# Altium PCB IC_LAB_test.PcbDoc (part 8 of 8)
Units mil, origin at the board's own origin, x right, y up, seen from the top; angles counter-clockwise.
Board outline 9750.75 x 5353.06 mil, 2 copper layers (Top Layer, Bottom Layer); 164 components, 0 nets, 5989 pads, 3214 vias.
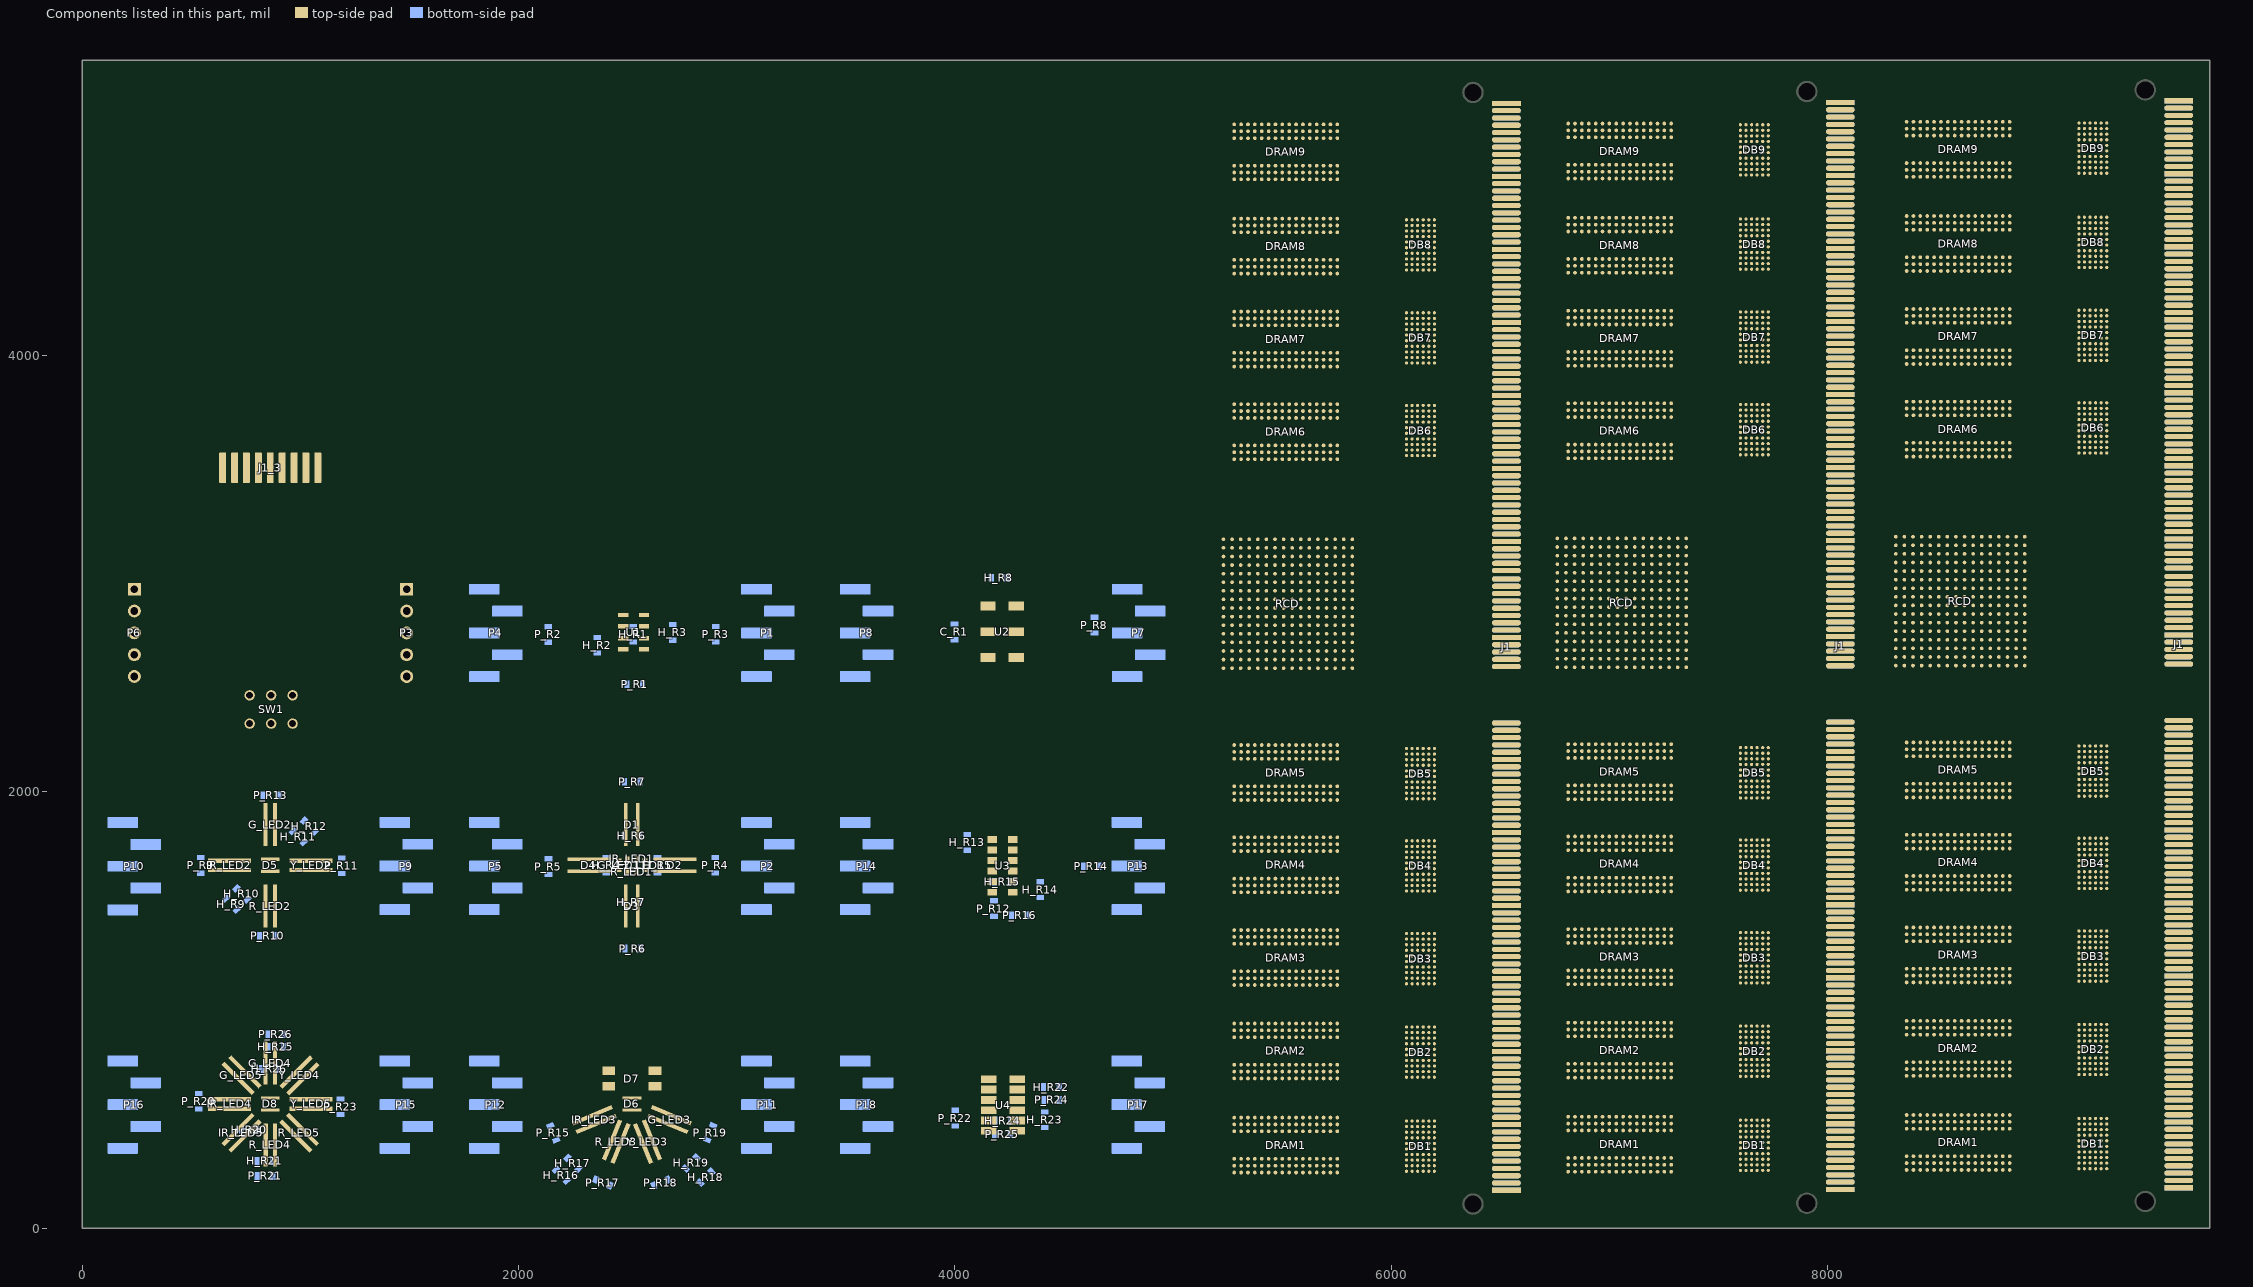
[diagram p8: the components of this part, seen from the top]

## Via types
v1: diameter 17.72, hole 8, Top Layer to Bottom Layer, 2685 vias
v2: diameter 39.37, hole 23.62, Top Layer to Bottom Layer, tented both sides, 414 vias
v3: diameter 23.62, hole 11.81, Top Layer to Bottom Layer, 52 vias
v4: diameter 23.62, hole 11.81, Top Layer to Bottom Layer, tented top, 33 vias
v5: diameter 31.5, hole 15.75, Top Layer to Bottom Layer, 21 vias
v6: diameter 137.8, hole 122.05, Top Layer to Bottom Layer, 3 vias
v7: diameter 78.74, hole 62.99, Top Layer to Bottom Layer, 3 vias
v8: diameter 39.37, hole 19.68, Top Layer to Bottom Layer, 3 vias

## Nets (pads, with @x,y where several pads share a name; then routed paths per layer and width w, separated by ;. In a path a pad name is that pad's centre, name@x,y a point inside that pad or via, vN(x,y) a via of type N, cw(c..) or ccw(c..) an arc to the next point about the centre after c; other vN are vias at no path point) (continued)
copper on no net: (continued)
  other v2: 192.13,191.85 292.13,191.85 392.13,191.85 492.13,191.85 592.13,191.85 692.13,191.85 992.13,191.85 1092.13,191.85 1892.13,191.85 1992.13,191.85 2092.13,191.85 2892.13,191.85 2992.13,191.85 3092.13,191.85 3592.13,191.85 3692.13,191.85 3792.13,191.85 3892.13,191.85 3992.13,191.85 4092.13,191.85 4192.13,191.85 4292.13,191.85 4392.13,191.85 4492.13,191.85 4592.13,191.85 4692.13,191.85 4792.13,191.85 4892.13,191.85 242.13,291.85 342.13,291.85 442.13,291.85 742.13,291.85 1042.13,291.85 1942.13,291.85 2042.13,291.85 2542.13,291.85 3042.13,291.85 3242.13,291.85 3642.13,291.85 3742.13,291.85 3842.13,291.85 3942.13,291.85 4042.13,291.85 4142.13,291.85 4242.13,291.85 4342.13,291.85 4442.13,291.85 4542.13,291.85 4642.13,291.85 4742.13,291.85 4842.13,291.85 4942.13,291.85 292.13,391.85 392.13,391.85 592.13,391.85 1192.13,391.85 1292.13,391.85 1992.13,391.85 3692.13,391.85 3792.13,391.85 3892.13,391.85 3992.13,391.85 4092.13,391.85 4492.13,391.85 4592.13,391.85 4892.13,391.85 542.13,491.85 1342.13,491.85 3042.13,491.85 4742.13,491.85 2192.13,591.85 2292.13,591.85 2392.13,591.85 2692.13,591.85 2792.13,591.85 3192.13,591.85 4892.13,591.85 2742.13,691.85 2842.13,691.85 3942.13,691.85 292.13,791.85 392.13,791.85 492.13,791.85 592.13,791.85 1192.13,791.85 2192.13,791.85 2292.13,791.85 2392.13,791.85 2492.13,791.85 2592.13,791.85 2692.13,791.85 2792.13,791.85 2892.13,791.85 3192.13,791.85 3692.13,791.85 3792.13,791.85 3892.13,791.85 3992.13,791.85 4092.13,791.85 4192.13,791.85 4292.13,791.85 4392.13,791.85 4492.13,791.85 4592.13,791.85 4892.13,791.85 242.13,891.85 342.13,891.85 442.13,891.85 542.13,891.85 642.13,891.85 742.13,891.85 1342.13,891.85 1442.13,891.85 1542.13,891.85 1942.13,891.85 2042.13,891.85 2142.13,891.85 2242.13,891.85 2342.13,891.85 2442.13,891.85 2542.13,891.85 2642.13,891.85 2742.13,891.85 2842.13,891.85 2942.13,891.85 3042.13,891.85 3142.13,891.85 3242.13,891.85 3642.13,891.85 3742.13,891.85 3842.13,891.85 3942.13,891.85 4042.13,891.85 4142.13,891.85 4242.13,891.85 4342.13,891.85 4442.13,891.85 4542.13,891.85 4642.13,891.85 4742.13,891.85 4842.13,891.85 4942.13,891.85 192.13,1291.85 292.13,1291.85 392.13,1291.85 492.13,1291.85 592.13,1291.85 692.13,1291.85 792.13,1291.85 892.13,1291.85 992.13,1291.85 1092.13,1291.85 1192.13,1291.85 1292.13,1291.85 1392.13,1291.85 1492.13,1291.85 1892.13,1291.85 1992.13,1291.85 2092.13,1291.85 2192.13,1291.85 2292.13,1291.85 2792.13,1291.85 2892.13,1291.85 2992.13,1291.85 3092.13,1291.85 3192.13,1291.85 3592.13,1291.85 3692.13,1291.85 3792.13,1291.85 3892.13,1291.85 3992.13,1291.85 4092.13,1291.85 4192.13,1291.85 4292.13,1291.85 4392.13,1291.85 4492.13,1291.85 4592.13,1291.85 4692.13,1291.85 4792.13,1291.85 4892.13,1291.85 242.13,1391.85 342.13,1391.85 542.13,1391.85 642.13,1391.85 742.13,1391.85 942.13,1391.85 1042.13,1391.85 1142.13,1391.85 1242.13,1391.85 1342.13,1391.85 1442.13,1391.85 1542.13,1391.85 1942.13,1391.85 2042.13,1391.85 2142.13,1391.85 2342.13,1391.85 2442.13,1391.85 2942.13,1391.85 3042.13,1391.85 3142.13,1391.85 3242.13,1391.85 3642.13,1391.85 3742.13,1391.85 3842.13,1391.85 3942.13,1391.85 4042.13,1391.85 4542.13,1391.85 4642.13,1391.85 4742.13,1391.85 4842.13,1391.85 4942.13,1391.85 492.13,1491.85 592.13,1491.85 1992.13,1491.85 2092.13,1491.85 2292.13,1491.85 3192.13,1491.85 3692.13,1491.85 3792.13,1491.85 3892.13,1491.85 3992.13,1491.85 4892.13,1491.85 742.13,1591.85 1142.13,1591.85 1342.13,1591.85 2242.13,1591.85 3042.13,1591.85 3842.13,1591.85 4542.13,1591.85 4642.13,1591.85 4742.13,1591.85 3192.13,1691.85 3992.13,1691.85 4892.13,1691.85 442.13,1791.85 542.13,1791.85 642.13,1791.85 2242.13,1791.85 3842.13,1791.85 3942.13,1791.85 4542.13,1791.85 4642.13,1791.85 4742.13,1791.85 792.13,1891.85 1092.13,1891.85 2192.13,1891.85 2792.13,1891.85 2892.13,1891.85 3192.13,1891.85 242.13,1991.85 342.13,1991.85 442.13,1991.85 542.13,1991.85 642.13,1991.85 742.13,1991.85 1242.13,1991.85 1342.13,1991.85 1442.13,1991.85 1542.13,1991.85 1942.13,1991.85 2042.13,1991.85 2142.13,1991.85 2242.13,1991.85 2642.13,1991.85 2742.13,1991.85 2942.13,1991.85 3042.13,1991.85 3142.13,1991.85 3242.13,1991.85 3642.13,1991.85 3742.13,1991.85 3842.13,1991.85 3942.13,1991.85 4042.13,1991.85 4142.13,1991.85 4242.13,1991.85 4342.13,1991.85 4442.13,1991.85 4942.13,1991.85 1892.13,2291.85 1992.13,2291.85 2092.13,2291.85 2192.13,2291.85 2292.13,2291.85 2392.13,2291.85 2492.13,2291.85 2592.13,2291.85 2692.13,2291.85 2792.13,2291.85 2892.13,2291.85 2992.13,2291.85 3092.13,2291.85 3192.13,2291.85 3592.13,2291.85 3692.13,2291.85 3792.13,2291.85 3892.13,2291.85 3992.13,2291.85 4092.13,2291.85 4192.13,2291.85 4292.13,2291.85 4392.13,2291.85 4492.13,2291.85 4592.13,2291.85 4692.13,2291.85 4792.13,2291.85 4892.13,2291.85 1942.13,2391.85 2042.13,2391.85 2142.13,2391.85 2242.13,2391.85 2342.13,2391.85 2442.13,2391.85 2542.13,2391.85 2642.13,2391.85 2742.13,2391.85 2842.13,2391.85 2942.13,2391.85 3242.13,2391.85 3642.13,2391.85 3742.13,2391.85 3842.13,2391.85 3942.13,2391.85 4242.13,2391.85 4342.13,2391.85 4442.13,2391.85 4542.13,2391.85 4642.13,2391.85 4742.13,2391.85 4842.13,2391.85 4942.13,2391.85 1992.13,2491.85 2092.13,2491.85 2192.13,2491.85 2692.13,2491.85 2792.13,2491.85 3692.13,2491.85 3792.13,2491.85 3892.13,2491.85 4392.13,2491.85 4492.13,2491.85 4592.13,2491.85 4692.13,2491.85 4892.13,2491.85 2242.13,2591.85 2442.13,2591.85 2942.13,2591.85 3042.13,2591.85 4542.13,2591.85 4642.13,2591.85 4742.13,2591.85 2192.13,2691.85 3192.13,2691.85 3692.13,2691.85 3892.13,2691.85 4492.13,2691.85 4592.13,2691.85 4892.13,2691.85 2842.13,2791.85 3042.13,2791.85 3842.13,2791.85 3942.13,2791.85 4142.13,2791.85 4242.13,2791.85 4442.13,2791.85 4542.13,2791.85 4742.13,2791.85 3192.13,2891.85 3892.13,2891.85 3992.13,2891.85 4492.13,2891.85 4692.13,2891.85 1942.13,2991.85 2242.13,2991.85 2342.13,2991.85 2442.13,2991.85 2542.13,2991.85 2642.13,2991.85 2742.13,2991.85 2842.13,2991.85 2942.13,2991.85 3042.13,2991.85 3142.13,2991.85 3242.13,2991.85 3642.13,2991.85 3842.13,2991.85 3942.13,2991.85 4042.13,2991.85 4542.13,2991.85 4642.13,2991.85 4742.13,2991.85 1892.13,3091.85 1992.13,3091.85 2092.13,3091.85 2192.13,3091.85 2292.13,3091.85 2392.13,3091.85 2492.13,3091.85 2592.13,3091.85 2692.13,3091.85 2792.13,3091.85 2892.13,3091.85 2992.13,3091.85 3092.13,3091.85 3192.13,3091.85 3592.13,3091.85 3692.13,3091.85 3792.13,3091.85 3892.13,3091.85 3992.13,3091.85 4092.13,3091.85 4192.13,3091.85 4292.13,3091.85 4892.13,3091.85
  other v3: 685.83,1596.65
  other v4: 4356.1,493.11
  other v6: 369.88,3463.31 1353.74,3463.31 1353.74,3463.31
  other v7: 548.82,3463.31 1174.8,3463.31 1174.8,3463.31

## Polygon pours and split planes (outlines as drawn)
no net on Bottom Layer "Bottom Layer-GND" (solid, pour order 16): 1547.05,3589.76 1547.05,2265.55 177.95,2265.55 177.95,3589.76
no net on Bottom Layer "Bottom Layer-GND_C" (solid, pour order 14): 1758.66,1177.36 1758.66,2149.8 3285.24,2149.8 3285.24,1177.36
no net on Bottom Layer "Bottom Layer-GND_H" (solid, pour order 12): 3457.48,83.66 3457.48,1056.1 4984.06,1056.1 4984.06,83.66
no net on Bottom Layer "Bottom Layer-GND_G" (solid, pour order 10): 3457.48,1177.36 3457.48,2149.8 4984.06,2149.8 4984.06,1177.36
no net on Bottom Layer "Bottom Layer-GND_F" (solid, pour order 8): 3457.48,2245.87 3457.48,3218.31 4984.06,3218.31 4984.06,2245.87
no net on Bottom Layer "Bottom Layer-GND_E" (solid, pour order 6): 1758.66,2245.87 1758.66,3218.31 3285.24,3218.31 3285.24,2245.87
no net on Bottom Layer "Bottom Layer-GND_B" (solid, pour order 4): 101.18,83.66 101.18,1056.1 1627.76,1056.1 1627.76,83.66
no net on Bottom Layer "Bottom Layer-GND_A" (solid, pour order 2): 101.18,1177.36 101.18,2149.8 1627.76,2149.8 1627.76,1177.36
no net on Bottom Layer "Bottom Layer-GND_D" (solid, pour order 0): 1758.66,83.66 1758.66,1056.1 3285.24,1056.1 3285.24,83.66
no net on Top Layer "Top Layer-GND" (solid, pour order 34): 1547.05,3589.76 1547.05,2265.55 177.95,2265.55 177.95,3589.76
no net on Top Layer "Top Layer-GND_B" (solid, pour order 32): 1627.76,1056.1 1627.76,83.66 101.18,83.66 101.18,1056.1
no net on Top Layer "Top Layer-GND_C" (solid, pour order 30): 3285.24,2149.8 3285.24,1177.36 1758.66,1177.36 1758.66,2149.8
no net on Top Layer "Top Layer-GND_E" (solid, pour order 28): 3285.24,3218.31 3285.24,2245.87 1758.66,2245.87 1758.66,3218.31
no net on Top Layer "Top Layer-GND_F" (solid, pour order 26): 4984.06,3218.31 4984.06,2245.87 3457.48,2245.87 3457.48,3218.31
no net on Top Layer "Top Layer-GND_G" (solid, pour order 24): 4984.06,2149.8 4984.06,1177.36 3457.48,1177.36 3457.48,2149.8
no net on Top Layer "Top Layer-GND_H" (solid, pour order 22): 4984.06,1056.1 4984.06,83.66 3457.48,83.66 3457.48,1056.1
no net on Top Layer "Top Layer-GND_A" (solid, pour order 20): 1627.76,2149.8 1627.76,1177.36 101.18,1177.36 101.18,2149.8
no net on Top Layer "Top Layer-GND_D" (solid, pour order 18): 3285.24,1056.1 3285.24,83.66 1758.66,83.66 1758.66,1056.1

## Keep-outs
Keep-Out Layer:
  region: 4351.62,3617.26 4155.21,3698.62 4188.5,3779 4384.92,3697.64
  region: 4169.29,3481.9 4087.93,3678.32 4168.31,3711.61 4249.66,3515.2
  region: 3944.56,3516.01 4025.92,3712.43 4106.3,3679.13 4024.94,3482.72
  region: 3809.66,3697.84 4006.06,3779.19 4039.36,3698.81 3842.95,3617.46
  region: 4047.24,3812.01 4147.64,3812.01 4147.64,3721.46 4047.24,3721.46
  region: 3948.82,3969.49 4244.09,3969.49 4244.09,3792.32 3948.82,3792.32
  region: 2569.88,4831.69 2569.88,4737.2 2467.52,4737.2 2467.52,4831.69
  region: 2569.88,3819.88 2569.88,3721.46 2467.52,3721.46 2467.52,3819.88
  region: 2563.98,4063.98 2563.98,3851.38 2473.43,3851.38 2473.43,4063.98
  region: 2473.43,3477.36 2473.43,3689.96 2563.98,3689.96 2563.98,3477.36
  region: 2812.01,3725.39 2599.41,3725.39 2599.41,3815.94 2812.01,3815.94
  region: 2225.39,3815.94 2437.99,3815.94 2437.99,3725.39 2225.39,3725.39
  region: 2342.02,5022.6 2492.35,4872.27 2431.1,4811.02 2280.77,4961.35
  region: 2756.85,4961.13 2606.52,4810.8 2545.28,4872.05 2695.61,5022.38
  region: 2695.38,4546.3 2545.05,4696.63 2606.3,4757.87 2756.63,4607.54
  region: 2280.55,4607.77 2430.88,4758.1 2492.13,4696.85 2341.8,4546.52
  region: 2562.01,5077.76 2562.01,4865.16 2475.39,4865.16 2475.39,5077.76
  region: 2225.39,4827.76 2437.99,4827.76 2437.99,4741.14 2225.39,4741.14
  region: 2475.39,4491.14 2475.39,4703.74 2562.01,4703.74 2562.01,4491.14
  region: 2812.01,4741.14 2599.41,4741.14 2599.41,4827.76 2812.01,4827.76
  region: 4173.23,4737.2 4023.62,4737.2 4023.62,4831.5 4173.23,4831.5
  region: 4051.18,4853.35 4051.18,5089.57 4145.47,5089.57 4145.47,4853.35
  region: 4145.67,4715.55 4145.67,4479.33 4051.38,4479.33 4051.38,4715.55
  region: 4397.64,4737.2 4192.91,4737.2 4192.91,4831.5 4397.64,4831.5
  region: 4003.94,4737.2 3799.21,4737.2 3799.21,4831.5 4003.94,4831.5
  lines w10: 6661.42,66.46 6661.42,97.44 6661.42,5225.91 ; 6661.58,66.3 6696.85,31.02 ; 6661.89,5225.91 6661.89,5256.89 ; 6662.05,5257.05 6697.32,5292.32 ; 6696.85,31.5 7452.76,31.5 7452.76,102.36 7570.87,102.36 7570.87,31.5 7712.6,31.5 7712.6,102.36 7830.71,102.36 7830.71,31.5 8145.67,31.5 ; 6697.32,5291.85 7452.76,5291.85 7452.76,5220.98 7570.87,5220.98 7570.87,5291.85 7712.6,5291.85 7712.6,5220.98 7830.71,5220.98 7830.71,5291.85 8145.67,5291.85 ; 8212.6,74.33 8212.6,105.31 8212.6,5233.78 ; 8212.76,74.17 8248.03,38.9 ; 8213.07,5233.78 8213.07,5264.76 ; 8213.23,5264.92 8248.5,5300.2 ; 8248.03,39.37 9003.94,39.37 9003.94,110.24 9122.05,110.24 9122.05,39.37 9263.78,39.37 9263.78,110.24 9381.89,110.24 9381.89,39.37 9696.85,39.37 ; 8248.5,5299.72 9003.94,5299.72 9003.94,5228.86 9122.05,5228.86 9122.05,5299.72 9263.78,5299.72 9263.78,5228.86 9381.89,5228.86 9381.89,5299.72 9696.85,5299.72 ; 5130.98,93.5 5130.98,62.52 5130.98,93.5 ; 5130.98,93.5 5130.98,5221.97 5130.98,93.5 ; 5922.32,27.56 5922.32,98.43 ; 5922.32,27.56 5166.42,27.56 5922.32,27.56 ; 5922.32,27.56 5922.32,98.43 ; 5922.32,98.43 6040.43,98.43 ; 5922.32,98.43 6040.43,98.43 ; 5922.32,5217.05 6040.43,5217.05 ; 5922.32,5217.05 5922.32,5287.91 ; 5922.32,5217.05 5922.32,5287.91 ; 5922.32,5217.05 6040.43,5217.05 ; 5922.32,5287.91 5166.89,5287.91 5922.32,5287.91 ; 6040.43,27.56 6182.17,27.56 ; 6040.43,27.56 6040.43,98.43 ; 6040.43,27.56 6040.43,98.43 ; 6040.43,27.56 6182.17,27.56 ; 6040.43,5217.05 6040.43,5287.91 ; 6040.43,5217.05 6040.43,5287.91 ; 6040.43,5287.91 6182.17,5287.91 ; 6040.43,5287.91 6182.17,5287.91 ; 6182.17,27.56 6182.17,98.43 ; 6182.17,27.56 6182.17,98.43 ; 6182.17,98.43 6300.28,98.43 ; 6182.17,98.43 6300.28,98.43 ; 6182.17,5217.05 6182.17,5287.91 ; 6182.17,5217.05 6300.28,5217.05 ; 6182.17,5217.05 6300.28,5217.05 ; 6182.17,5217.05 6182.17,5287.91 ; 6300.28,27.56 6300.28,98.43 ; 6300.28,27.56 6615.24,27.56 6300.28,27.56 ; 6300.28,27.56 6300.28,98.43 ; 6300.28,5217.05 6300.28,5287.91 ; 6300.28,5217.05 6300.28,5287.91 ; 6300.28,5287.91 6615.24,5287.91 6300.28,5287.91 ; 5131.14,62.36 5166.42,27.09 5131.14,62.36 ; 5131.46,5221.97 5131.46,5252.95 5131.46,5221.97 ; 5131.61,5253.11 5166.89,5288.39 5131.61,5253.11
  lines w11.81: 101.18,1055.26 1621,1055.26 ; 1578.24,5352.54 6898.12,5352.54 ; 1580.71,5352.36 0.24,5352.36 0.24,-0.5 4679.45,-0.5 ; 1621,2148.96 101.18,2149.8 ; 1758.66,2148.96 3278.48,2148.96 ; 1758.66,3217.46 3278.48,3217.46 ; 3277.7,4257.03 1757.87,4257.87 ; 3277.7,5270.81 1757.87,5271.65 ; 3278.48,1055.26 1758.66,1056.1 ; 4679.24,-0.44 9750.98,-0.44 9750.24,5352.56 6897.24,5352.54 ; 4856.58,4256.04 3336.75,4256.89 ; 4857.42,5270.81 3337.6,5271.65 ; 4977.3,1055.26 3457.48,1056.1 ; 4977.3,2148.96 3457.48,2149.8 ; 8145.67,31.5 8145.67,2417.83 7988.19,2417.83 7988.19,2476.89 8145.67,2476.89 8145.67,5291.85 ; 9696.85,39.37 9696.85,2425.71 9539.37,2425.71 9539.37,2484.76 9696.85,2484.76 9696.85,5299.72 ; 101.18,2149.8 101.18,1177.36 1627.76,1177.36 1627.76,1796.46 1627.76,2149.8 101.18,2149.8 ; 1757.87,4257.87 3284.45,4257.87 3284.45,3904.53 3284.45,3285.43 1757.87,3285.43 1757.87,4257.87 ; 1757.87,5271.65 1757.87,4299.21 3284.45,4299.21 3284.45,4918.31 3284.45,5271.65 1757.87,5271.65 ; 1758.66,1056.1 1758.66,83.66 3285.24,83.66 3285.24,702.76 3285.24,1056.1 1758.66,1056.1 ; 3336.75,4256.89 3336.75,3284.45 4863.33,3284.45 4863.33,3903.54 4863.33,4256.89 3336.75,4256.89 ; 3337.6,5271.65 3337.6,4299.21 4864.17,4299.21 4864.17,4918.31 4864.17,5271.65 3337.6,5271.65 ; 3457.48,1056.1 3457.48,83.66 4984.06,83.66 4984.06,1056.1 3457.48,1056.1 ; 3457.48,2149.8 4984.06,2149.8 4984.06,1177.36 3457.48,1177.36 3457.48,2149.8 ; 6457.76,2413.9 6457.76,2472.95 ; 6457.76,2413.9 6615.24,2413.9 ; 6457.76,2413.9 6615.24,2413.9 ; 6457.76,2413.9 6457.76,2472.95 ; 6457.76,2472.95 6615.24,2472.95 ; 6457.76,2472.95 6615.24,2472.95 ; 6615.24,2413.9 6615.24,27.56 6615.24,2413.9 ; 6615.24,2472.95 6615.24,5287.91 6615.24,2472.95 ; 101.18,83.66 101.18,1056.1 1627.76,1056.1 1627.76,702.76 1627.76,83.66 101.18,83.66 ; 177.95,2265.55 177.95,3589.76 1547.05,3589.76 1547.05,2265.55 177.95,2265.55 ; 1758.66,1177.36 1758.66,2149.8 3285.24,2149.8 3285.24,1796.46 3285.24,1177.36 1758.66,1177.36 ; 1758.66,2245.87 1758.66,3218.31 3285.24,3218.31 3285.24,2864.96 3285.24,2245.87 1758.66,2245.87 ; 3457.48,2245.87 4984.06,2245.87 4984.06,3218.31 3457.48,3218.31 3457.48,2245.87

## Other copper
Bottom Layer:
  region: 561.02,351.38

## Silkscreen, mask and mechanical layers (free items; w line width, h text height)
Top Overlay:
  drawing of 5405 lines, arcs and shapes, not listed
  text "NUMBER PD C" at 3364.51,5184 h59.06
  text "NUMBER LED B" at 1776.77,5182.09 h59.06
  text "ICS Lab" at 2837.8,5161.22 h157.48
  text "ICS Lab" at 4416.67,5160.37 h157.48
  text "PPG sensor ver 1.0" at 4252.3,4324.74 h33.46
  text "PPG sensor ver 1.0" at 2667.52,4322.83 h33.46
  text "TYPE PD D" at 3354.67,4170.28 h59.06
  text "DISTANCE LED A" at 1800.39,4164.17 h59.06
  text "ICS Lab" at 2837.8,4147.44 h157.48
  text "ICS Lab" at 4416.67,4146.46 h157.48
  text "PPG sensor ver 1.0" at 2683.07,3309.06 h33.46
  text "PPG sensor ver 1.0" at 4244.43,3306.1 h33.46
  text "SFH 7050" at 1788.39,3132.87 h59.06
  text "SFH 7070" at 3478.35,3131.89 h59.06
  text "ICS Lab" at 2838.58,3107.87 h157.48
  text "ICS Lab" at 4537.4,3107.87 h157.48
  text "LED 1 TX P" at 1093.5,2918.31 h33.46
  text "DET_N" at 311.02,2911.42 h33.46
  text "DET_P" at 311.02,2812.99 h33.46
  text "LED 1 TX N" at 1091.54,2812.01 h33.46
  text "VCC LED" at 1187.01,2722.44 h33.46
  text "VCC LED" at 311.02,2714.57 h33.46
  text "LED 0 TX P" at 1099.41,2623.03 h33.46
  text "GND" at 311.02,2616.14 h33.46
  text "GND" at 311.02,2517.72 h33.46
  text "LED 0 TX N" at 1094.49,2512.8 h33.46
  text "LED 1 TX" at 978.35,2487.2 h33.46 r90
  text "LED 0 TX" at 778.54,2479.33 h33.46 r90
  text "11.26.2021" at 203.74,2289.96 h33.46
  text "SFH 7060" at 3495.08,2068.9 h59.06
  text "NUMBER PD C" at 1786.42,2062.99 h59.06
  text "DISTANCE LED A" at 143.7,2056.1 h59.06
  text "ICS Lab" at 1181.1,2039.37 h157.48
  text "ICS Lab" at 2838.58,2039.37 h157.48
  text "ICS Lab" at 4537.4,2039.37 h157.48
  text "PPG sensor ver 1.0" at 2674.21,1203.74 h33.46
  text "11.26.2021" at 126.97,1201.77 h33.46
  text "11.26.2021" at 1784.45,1201.77 h33.46
  text "PPG sensor ver 1.0" at 1021.65,1199.8 h33.46
  text "TYPE PD D" at 1776.57,969.49 h59.06
  text "NUMBER LED B" at 120.08,966.54 h59.06
  text "SFH 7072" at 3481.3,966.54 h59.06
  text "ICS Lab" at 1181.1,945.67 h157.48
  text "ICS Lab" at 2838.58,945.67 h157.48
  text "ICS Lab" at 4537.4,945.67 h157.48
  text "12.20.2021" at 8610.24,142.24 h62.99 r180
  text "11.15.2021" at 7059.06,134.37 h62.99 r180
  text "10.12.2021" at 5528.62,130.43 h62.99 r180
  text "11.26.2021" at 126.97,108.07 h33.46
  text "11.26.2021" at 1784.45,108.07 h33.46
  text "PPG sensor ver 1.0" at 1010.83,107.28 h33.46
  text "PPG sensor ver 1.0" at 2666.34,105.32 h33.46